# Altium PCB ECU_FEST23_Rev1.PcbDoc (part 2 of 2) (continued)
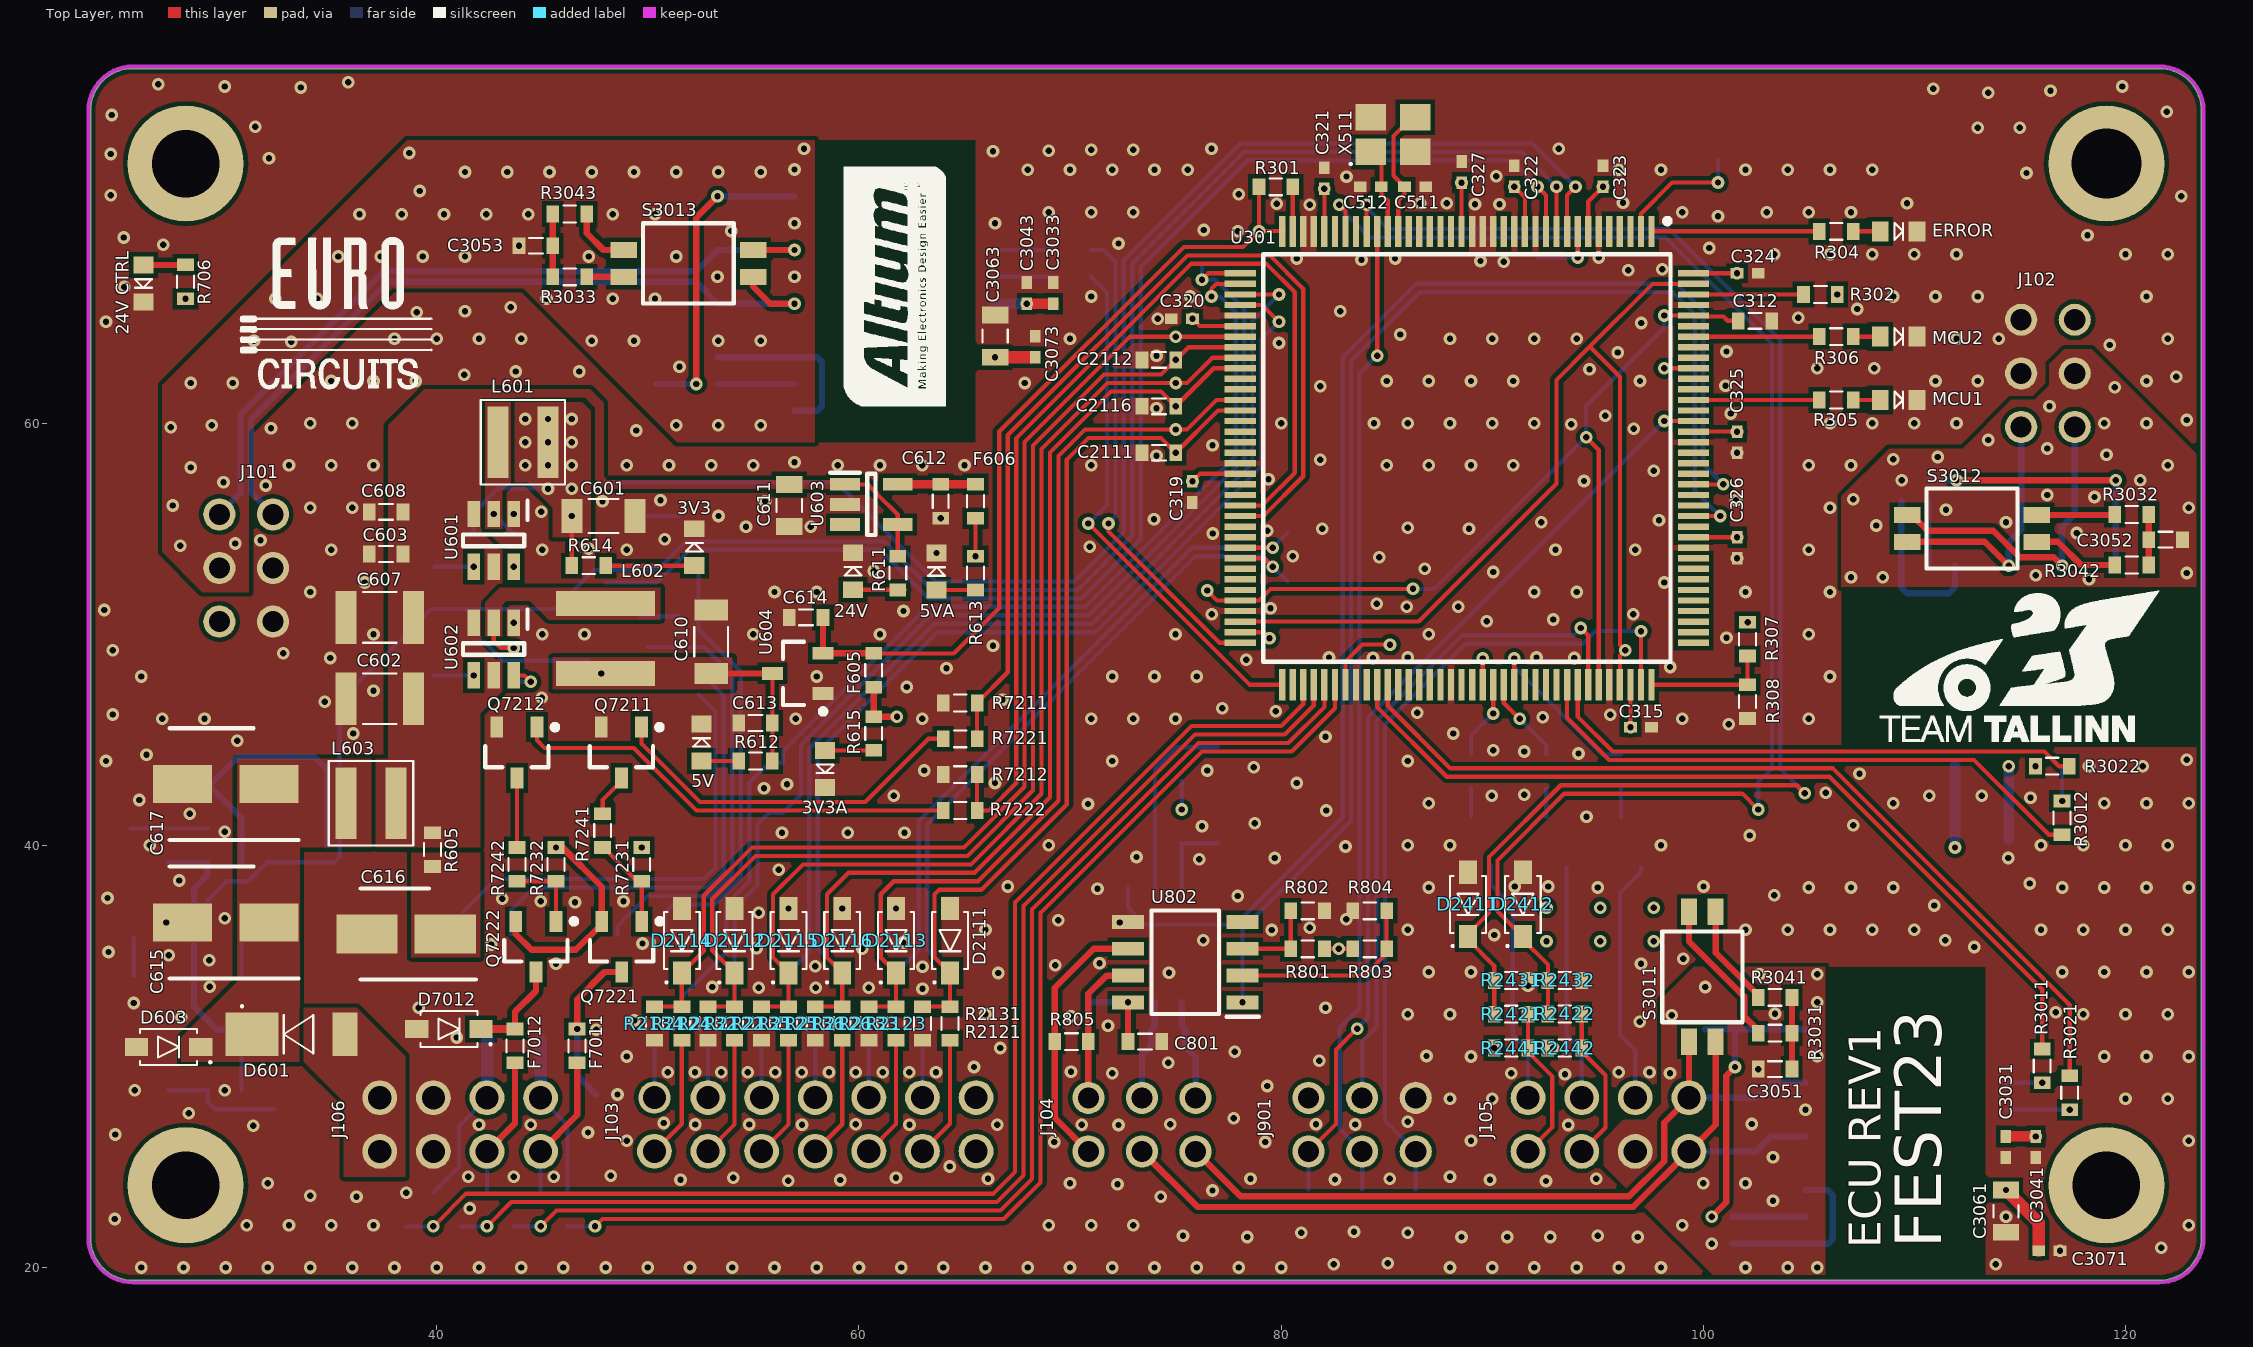
[diagram p0: Top Layer view]
## Nets (pads, with @x,y where several pads share a name; then routed paths per layer and width w, separated by ;. In a path a pad name is that pad's centre, name@x,y a point inside that pad or via, vN(x,y) a via of type N, cw(c..) or ccw(c..) an arc to the next point about the centre after c; other vN are vias at no path point) (continued)
MCU_SHDN_IN1: C231.1 D231.1 R231.2 R232.2 U301.63 | length 35.2
  Top Layer w0.2: U301.63@78.062,54.1 v1(79.6,54.1)
  Bottom Layer w0.2: R231.2@60.47,32.36 R232.2@61.76,32.36 D231.1@61.76,33.96 62.834,35.034 62.834,41.163 75.772,54.1 v1(79.6,54.1) C231.1@80.3,54.8
MCU_SHDN_IN2: C232.1 D232.1 R233.2 R234.2 U301.64 | length 34.9
  Top Layer w0.2: U301.64@78.062,53.6 79.2,53.6 v1(79.6,53.2)
  Bottom Layer w0.2: R233.2@63.01,32.36 R234.2@64.31,32.36 D232.1@64.31,33.96 63.234,35.036 63.234,40.997 75.937,53.7 79.1,53.7 v1(79.6,53.2) C232.1@80.3,52.5
MCU_Temp1: C2111.1 D2111.1 R2121.2 R2131.2 U301.50 | length 41
  Top Layer w0.2: R2131.2@63.01,32.36 R2121.2@64.31,32.36 D2111.1@64.31,33.96 63.585,34.685 63.585,37.684 63.795,37.894 65.797,37.894 69.85,41.947 69.85,58.275 70.875,59.3 74.31,59.3 v1(75.01,58.6) 77.01,60.6 U301.50@78.062,60.6
MCU_Temp2: C2112.1 D2112.1 R2122.2 R2132.2 U301.44 | length 52.2
  Top Layer w0.2: R2132.2@52.85,32.36 R2122.2@54.11,32.36 D2112.1@54.11,33.96 53.05,35.02 53.05,37.445 55.105,39.5 65.14,39.5 68.25,42.61 68.25,58.938 71.612,62.3 74.31,62.3 v1(75.01,63) 75.61,63.6 U301.44@78.062,63.6
MCU_Temp3: C2113.1 D2113.1 R2123.2 R2133.2 U301.49 | length 43.2
  Top Layer w0.2: R2133.2@60.47,32.36 R2123.2@61.76,32.36 D2113.1@61.76,33.96 61.035,34.685 61.035,37.684 61.651,38.3 65.637,38.3 69.45,42.113 69.45,58.441 70.709,59.7 v1(75.01,59.7) 75.544,59.7 76.944,61.1 U301.49@78.062,61.1
MCU_Temp4: C2114.1 D2114.1 R2124.2 R2134.2 U301.43 | length 52.9
  Top Layer w0.2: R2134.2@50.31,32.36 R2124.2@51.61,32.36 D2114.1@51.61,33.96 52.65,35 52.65,37.611 54.939,39.9 64.974,39.9 67.85,42.776 67.85,59.104 72.846,64.1 v1(75.01,64.1) U301.43@78.062,64.1
MCU_Temp5: C2115.1 D2115.1 R2125.2 R2135.2 U301.45 | length 49.1
  Top Layer w0.2: R2135.2@55.39,32.36 R2125.2@56.66,32.36 D2115.1@56.66,33.96 55.935,34.685 55.935,37.684 57.351,39.1 65.306,39.1 68.65,42.444 68.65,58.772 71.778,61.9 v1(75.01,61.9) 75.544,61.9 76.744,63.1 U301.45@78.062,63.1
MCU_Temp6: C2116.1 D2116.1 R2126.2 R2136.2 U301.46 | length 46.9
  Top Layer w0.2: R2136.2@57.93,32.36 R2126.2@59.21,32.36 D2116.1@59.21,33.96 58.485,34.685 58.485,37.684 59.501,38.7 65.471,38.7 69.05,42.279 69.05,58.607 71.943,61.5 74.31,61.5 v1(75.01,60.8) 76.81,62.6 U301.46@78.062,62.6
Net3V3_2: 3V3.2 R614.2 | length 4.2
  Top Layer w0.2: R614.2@48,53.249 3V3.2@52.2,53.249
Net3V3A_2: 3V3A.2 R615.2 | length 2.3
  Top Layer w0.2: 3V3A.2@58.4,44.5 R615.2@60.7,44.5
Net5V_2: 5V.2 R612.2 | length 1.8
  Top Layer w0.2: 5V.2@52.55,44 R612.2@54.3,44
Net5VA_2: 5VA.2 R613.2 | length 1.8
  Top Layer w0.2: 5VA.2@63.679,52.1 R613.2@65.525,52.1
"Net24V CTRL_2": "24V CTRL.2" R706.2 | length 2
  Top Layer w0.3: 26.1,67.492 28.092,67.492 R706.2@28.1,67.5
Net24V_2: 24V.2 R611.2 | length 2.1
  Top Layer w0.2: 24V.2@59.725,52.11 R611.2@61.831,52.11 ; R611.2@62.156,52.11 R611.2@62.166,52.1
NetC604_1: C604.1 U601.6
  other v1: 43.65,53.2
NetC604_2: C604.2 L601.1 U601.2 | length 1.3
  Bottom Layer w0.2: v1(42.7,55.7) 43.6,54.8 C604.2@43.65,54.8
NetC609_1: C609.1 U602.6 | length 1.7
  Top Layer w0.2: U602.6@43.65,48.05 44.15,48.05 v1(44.45,47.75)
  Bottom Layer w0.2: C609.1@43.65,47.75 v1(44.45,47.75)
NetC609_2: C609.2 L602.1 U602.2 | length 2
  Top Layer w0.2: U602.2@42.7,50.55 42.7,49.681 43.031,49.35 v1(43.65,49.35)
NetC615_1: C615.1 C617.1 D601.1 D603.1 L603.1
NetC616_1: C616.1 R605.1
NetC703_1: C703.1 R704.2 R705.1 | length 3.6
  Bottom Layer w0.2: C703.1@25.5,40.805 R704.2@27.25,40.805 R705.1@29.15,40.805
NetC3051_2: C3051.2 R3031.1 R3041.1 | length 3.4
  Top Layer w0.3: C3051.2@104.2,29.4 R3031.1@104.2,31.1 R3041.1@104.2,32.8
NetC3052_2: C3052.2 R3032.1 R3042.1 | length 2.4
  Top Layer w0.3: R3042.1@121.1,53.28 R3032.1@121.1,55.68
NetC3053_2: C3053.2 R3033.1 R3043.1 | length 3
  Top Layer w0.3: R3033.1@45.5,66.935 R3043.1@45.5,69.905
NetC3081_1: C3081.1 L3011.1 U3011.12 | length 3.4
  Bottom Layer w0.3: L3011.1@101.4,22.4 U3011.12@104.84,22.4
NetC3081_2: C3081.2 L3021.1 U3011.11 U3011.13 | length 8.3
  Bottom Layer w0.3: L3021.1@101.4,21.13 U3011.11@104.84,21.13 105.926,21.13 106.14,21.344 106.14,23.43 105.9,23.67 U3011.13@104.84,23.67
NetC3082_1: C3082.1 L3012.1 U3012.12 | length 3.1
  Bottom Layer w0.3: U3012.12@110.655,53.25 L3012.1@110.655,56.3
NetC3082_2: C3082.2 L3022.1 U3012.11 U3012.13 | length 7.9
  Bottom Layer w0.3: L3022.1@109.385,56.3 U3012.11@109.385,53.25 109.385,52.215 109.65,51.95 111.65,51.95 111.925,52.225 U3012.13@111.925,53.25
NetC3083_1: C3083.1 L3013.1 U3013.12 | length 3.7
  Bottom Layer w0.3: L3013.1@53.3,61.855 U3013.12@56.95,61.855
NetC3083_2: C3083.2 L3023.1 U3013.11 U3013.13 | length 8.5
  Bottom Layer w0.3: L3023.1@53.3,63.125 U3013.13@56.95,63.125 58.025,63.125 58.25,62.9 58.25,60.8 58.035,60.585 U3013.11@56.95,60.585
NetD703_1: D703.1 D704.2 Q701.2 R705.2 | length 15.8
  Bottom Layer w0.3: D703.1@27.7,42.823 29.227,42.823 ; D704.2@30.75,39.205 R705.2@30.75,40.805 30.75,41.3 29.227,42.823 ; Q701.2@34.82,40 34.82,43.58 34.2,44.2 30.603,44.2 29.227,42.823
NetD703_2: D703.2 F701.1 Q701.1 | length 2.5
  Bottom Layer w0.3: D703.2@30.75,42.823 32.977,42.823 F701.1@33.2,42.6
NetD704_1: D704.1 R704.1 U701.7 | length 11.7
  Bottom Layer w0.2: R704.1@27.25,39.205 D704.1@29.125,39.205
  Bottom Layer w0.3: D704.1@29.125,39.205 29.125,38.575 28.5,37.95 28.5,32.356 29.591,31.265 U701.7@30.75,31.265
NetD7011_1: D7011.1 F7011.1 Q7221.3 | length 7.5
  Top Layer w0.3: v1(46.65,31.3) 46.65,32.7 47.95,34 Q7221.3@48.76,34
  Bottom Layer w0.3: v1(46.65,31.3) 46.65,29.1 D7011.1@47.55,28.2
NetD7012_1: D7012.1 F7012.1 Q7222.3 | length 4.7
  Top Layer w0.3: F7012.1@43.704,31.3 43.704,32.104 44.7,33.1 Q7222.3@44.7,34
  Top Layer w0.4: D7012.1@42.1,31.3 F7012.1@43.704,31.3
NetD7111_1: D7111.1 F7111.1 U7111.1 U7111.5
NetD7112_1: D7112.1 F7112.1 U7112.1 U7112.5
NetERROR_2: ERROR.2 R304.2 | length 1.3
  Top Layer w0.2: R304.2@107.1,69.088 ERROR.2@108.384,69.088
NetMCU1_2: MCU1.2 R305.2 | length 1.3
  Top Layer w0.2: R305.2@107.1,61.1 MCU1.2@108.384,61.1
NetMCU2_2: MCU2.2 R306.2 | length 1.3
  Top Layer w0.2: R306.2@107.1,64.1 MCU2.2@108.384,64.1
NetQ4011_G: Q4011.1 R4011.1 | length 1.4
  Bottom Layer w0.2: Q4011.1@96.1,41.35 R4011.1@96.1,42.7
NetQ4012_G: Q4012.1 R4012.1 | length 1.3
  Bottom Layer w0.2: Q4012.1@92.565,41.35 R4012.1@92.565,42.7
NetQ4013_G: Q4013.1 R4013.1 | length 1.3
  Bottom Layer w0.2: Q4013.1@89,41.35 R4013.1@89,42.7
NetQ7111_D: Q7111.3 U7111.2 | length 20.8
  Bottom Layer w0.2: U7111.2@50.84,35.8 50.84,36.84 51.2,37.2 53.147,37.2 54.4,38.453 54.4,48.24 52.4,50.24 Q7111.3@52.4,53.2
NetQ7111_G: Q7111.1 R7121.1 | length 1.8
  Bottom Layer w0.2: R7121.1@49.65,55.6 Q7111.1@51.45,55.6
NetQ7112_D: Q7112.3 U7112.2 | length 22.1
  Bottom Layer w0.2: U7112.2@43.52,35.8 43.52,36.92 44.6,38 52.816,38 53.6,38.784 53.6,47.074 52.4,48.274 Q7112.3@52.4,48.45
NetQ7112_G: Q7112.1 R7122.1 | length 1.8
  Bottom Layer w0.2: R7122.1@49.65,50.85 Q7112.1@51.45,50.85
NetQ7211_D: Q7211.3 R7241.2 | length 2.1
  Top Layer w0.2: R7241.2@47.86,41.5 47.86,42.157 48.75,43.046 Q7211.3@48.75,43.2
NetQ7211_G: Q7211.1 R7221.1 | length 17.5
  Top Layer w0.2: Q7211.1@49.7,45.6 49.7,44.818 52.468,42.05 60.3,42.05 63.3,45.05 R7221.1@64,45.05
NetQ7212_D: Q7212.3 R7242.2 | length 3.3
  Top Layer w0.2: R7242.2@43.8,39.9 Q7212.3@43.8,43.2
NetQ7212_G: Q7212.1 R7222.1 | length 21.2
  Top Layer w0.2: Q7212.1@44.75,45.6 44.75,44.98 45.112,44.617 49.334,44.617 52.302,41.65 R7222.1@64,41.65
NetQ7221_G: Q7221.1 R7231.1 R7241.1 | length 4.4
  Top Layer w0.2: R7241.1@47.86,39.9 47.894,39.9 49.494,38.3 R7231.1@49.71,38.3 Q7221.1@49.71,36.4
NetQ7222_G: Q7222.1 R7232.1 R7242.1 | length 3.7
  Top Layer w0.2: R7242.1@43.8,38.3 R7232.1@45.65,38.3 Q7222.1@45.65,36.4
NetR301_2: R301.2 U301.35 | length 2.1
  Top Layer w0.2: U301.35@80.55,69.088 R301.2@80.55,71.2
NetR601_1: R601.1 R602.2 U601.4 | length 1.9
  Bottom Layer w0.2: R602.2@39.9,53.2 v1(41.75,53.2)
NetR603_1: R603.1 R604.2 U602.4 | length 1.9
  Bottom Layer w0.2: R604.2@39.85,48.05 v1(41.75,48.05)
NetR701_1: R701.1 U701.4 | length 1.8
  Bottom Layer w0.2: U701.4@25.65,33.805 R701.1@25.65,35.6
NetR703_1: R703.1 U701.8 | length 1.6
  Bottom Layer w0.2: R703.1@30.75,28.4 U701.8@30.75,29.995
NetR709_1: R709.1 U701.5 | length 1.8
  Bottom Layer w0.2: U701.5@30.75,33.805 R709.1@30.75,35.6
NetR3011_2: R3011.2 U3011.4 | length 1.7
  Bottom Layer w0.2: U3011.4@114.34,28.75 v1(116.057,28.75)
NetR3012_2: R3012.2 U3012.4 | length 1.7
  Bottom Layer w0.2: v1(117,42.1) 117,43.745 U3012.4@117.005,43.75
NetR3013_2: R3013.2 U3013.4 | length 2.9
  Bottom Layer w0.2: U3013.4@66.45,68.205 R3013.2@69.4,68.205
NetR3021_2: R3021.2 U3011.5 | length 3
  Bottom Layer w0.2: U3011.5@114.34,27.48 v1(117.36,27.48)
NetR3022_2: R3022.2 U3012.5
  other v1: 115.735,43.75
NetR3023_2: R3023.2 U3013.5 | length 2.9
  Bottom Layer w0.2: U3013.5@66.45,66.935 R3023.2@69.4,66.935
NetR3031_2: R3031.2 S3011.2 | length 7.1
  Top Layer w0.3: S3011.2@99.32,36.85 99.32,35.455 101.95,32.825 101.95,31.892 102.6,31.242 R3031.2@102.6,31.1
NetR3032_2: R3032.2 S3012.2 | length 3.7
  Top Layer w0.3: S3012.2@115.805,55.65 R3032.2@119.5,55.65
NetR3033_2: R3033.2 S3013.2 | length 1.7
  Top Layer w0.3: R3033.2@47.1,66.935 S3013.2@48.85,66.935
NetR3041_2: R3041.2 S3011.4 | length 4.9
  Top Layer w0.3: S3011.4@100.59,36.85 100.59,34.916 102.6,32.906 R3041.2@102.6,32.8
NetR3042_2: R3042.2 S3012.4 | length 4.2
  Top Layer w0.3: S3012.4@115.805,54.38 116.794,54.38 117.894,53.28 R3042.2@119.5,53.28
NetR3043_2: R3043.2 S3013.4 | length 3
  Top Layer w0.3: R3043.2@47.1,69.905 47.1,69.005 47.9,68.205 S3013.4@48.85,68.205
NetR7131_1: R7131.1 U7111.4 | length 20.8
  Bottom Layer w0.2: U7111.4@48.56,35.8 48.56,36.176 49.984,37.6 52.981,37.6 54,38.619 54,48.074 52.674,49.4 R7131.1@50,49.4
NetR7132_1: R7132.1 U7112.4 | length 22.4
  Bottom Layer w0.2: U7112.4@41.24,35.8 41.24,36.84 42.8,38.4 52.65,38.4 53.2,38.95 53.2,46.35 R7132.1@52.4,47.15
NRST: C901.1 D902.1 J901.5 U301.27 | length 46.6
  Top Layer w0.2: v1(84.55,63.2) U301.27@84.55,69.088
  Bottom Layer w0.2: D902.1@83.84,23.7 J901.5@83.84,25.5 82.778,26.562 82.778,31.344 83.717,32.283 83.717,62.367 v1(84.55,63.2)
OSC_IN: C511.1 U301.25 X511.3 | length 6.3
  Top Layer w0.2: U301.25@85.55,69.088 85.55,70.55 85.85,70.85 C511.1@85.85,71.2 85.325,71.725 85.325,73.599 86.226,74.5 X511.3@86.35,74.5
OSC_OUT: C512.2 U301.26 X511.1 | length 4.1
  Top Layer w0.2: X511.1@84.25,72.85 84.75,72.35 C512.2@84.75,71.2 84.75,70.85 85.05,70.55 U301.26@85.05,69.088
PDR: R302.2 U301.142 | length 5.2
  Top Layer w0.2: U301.142@99.538,66.1 R302.2@104.75,66.1
PWM_Sig1: D4011.1 J105.2 Q4011.3 R4021.2 R4031.2 | length 11.6
  Bottom Layer w0.2: J105.2@96.78,28.04 D4011.1@96.78,30.3 96.055,31.025 R4031.2@96.055,35.45 R4021.2@96.055,37.05 96.055,37.75 97.05,38.745 Q4011.3@97.05,38.95
PWM_Sig2: D4012.1 J105.3 Q4012.3 R4022.2 R4032.2 | length 11.2
  Bottom Layer w0.2: Q4012.3@93.515,38.95 R4022.2@93.515,37.05 R4032.2@93.515,35.45 93.515,31.025 D4012.1@94.24,30.3 J105.3@94.24,28.04
PWM_Sig3: D4013.1 J105.4 Q4013.3 R4023.2 R4033.2 | length 11.8
  Bottom Layer w0.2: Q4013.3@89.95,39.05 Q4013.3@89.95,38.95 89.95,38.125 91,37.075 R4023.2@90.975,37.05 R4033.2@90.975,35.45 90.975,31.025 D4013.1@91.7,30.3 J105.4@91.7,28.04
PWM_Sig_MCU1: R4011.2 U301.95 | length 8.4
  Top Layer w0.2: U301.95@91.05,47.612 v1(91.05,48.85)
  Bottom Layer w0.2: v1(91.05,48.85) 91.05,48.45 95.2,44.3 R4011.2@96.1,44.3
PWM_Sig_MCU2: R4012.2 U301.94 | length 4.1
  Top Layer w0.2: U301.94@90.55,47.612 90.55,46.75 v1(91.3,46)
  Bottom Layer w0.2: v1(91.3,46) 92.565,44.735 R4012.2@92.565,44.3
PWM_Sig_MCU3: R4013.2 U301.93 | length 3.7
  Top Layer w0.2: v1(90.05,46.25) U301.93@90.05,47.612
  Bottom Layer w0.2: R4013.2@89,44.3 89,45.2 v1(90.05,46.25)
RE_CLK: R808.1 R809.2 U801.2 | length 9
  Bottom Layer w0.2: U801.2@74.02,37.984 74.02,43.603 75.067,44.65 R808.1@75.29,44.65 R809.2@77.01,44.65
RE_DAT: R803.1 R804.2 U802.2 | length 9.3
  Top Layer w0.2: U802.2@78.174,33.83 83.953,33.83 85,34.877 R804.2@85,36.9
RS485A_CLK: J104.3 R810.2 U801.6 | length 4.8
  Bottom Layer w0.3: U801.6@75.29,32.56 75.29,31.45 75.465,31.275 75.465,30.615 R810.2@75.45,30.6 75.45,30.46 75.95,29.96 J104.3@75.95,28.04
RS485A_DAT: J104.6 R805.2 U802.6 | length 12.7
  Top Layer w0.3: J104.6@70.87,25.5 69.27,27.1 R805.2@69.27,30.7 69.27,33.25 71.12,35.1 U802.6@72.75,35.1
RS485B_CLK: J104.2 R810.1 U801.7 | length 4.8
  Bottom Layer w0.3: J104.2@73.41,28.04 73.41,30.06 73.85,30.5 R810.1@73.85,30.6 73.85,31.291 74.02,31.461 U801.7@74.02,32.56
RS485B_DAT: J104.1 R805.1 U802.7 | length 7.2
  Top Layer w0.3: J104.1@70.87,28.04 R805.1@70.87,30.7 70.87,32.97 71.73,33.83 U802.7@72.75,33.83
SHDN_IN1: J103.10 R231.1 | length 2.7
  Bottom Layer w0.2: J103.10@60.47,28.05 R231.1@60.47,30.76
SHDN_IN2: J103.9 R233.1 | length 2.7
  Bottom Layer w0.2: J103.9@63.01,28.05 R233.1@63.01,30.76
SPI_CLK: U301.124 U801.1 | length 64.4
  Top Layer w0.2: U301.124@99.538,57.1 v1(100.947,57.1)
  Bottom Layer w0.2: U801.1@72.75,37.984 72.75,37.05 73.55,36.25 77.833,36.25 82.917,41.335 82.917,63.107 86.42,66.61 98.706,66.61 100,65.316 100,58.047 v1(100.947,57.1)
SPI_DAT: U301.121 U802.1 | length 61.9
  Top Layer w0.2: U301.121@99.538,55.6 v1(100.8,55.6)
  Bottom Layer w0.2: v1(78.174,32.56) 78.174,36.026 83.317,41.169 83.317,62.942 86.586,66.21 98.54,66.21 99.6,65.15 99.6,56.8 v1(100.8,55.6)
SPI_NSS: R307.1 R308.2 U301.108 | length 5.9
  Top Layer w0.2: U301.108@97.55,47.612 R308.2@102.099,47.612 R307.1@102.099,48.967
SWCLK: D904.1 J901.4 U301.107 | length 39.1
  Top Layer w0.2: U301.107@97.05,47.612 v1(97.05,50.15)
  Bottom Layer w0.2: D904.1@86.38,23.7 J901.4@86.38,25.5 84.917,26.963 84.917,45.736 88.731,49.55 94.3,49.55 94.9,50.15 v1(97.05,50.15)
SWDIO: D903.1 J901.2 U301.102 | length 32.5
  Top Layer w0.2: v1(94.2,50.3) 94.55,49.95 U301.102@94.55,47.612
  Bottom Layer w0.2: J901.2@83.84,28.04 D903.1@83.84,30.02 83.84,30.709 84.517,31.386 84.517,45.902 88.566,49.95 93.85,49.95 v1(94.2,50.3)
SWO: D901.1 J901.6 U301.130 | length 44.8
  Top Layer w0.2: J901.6@81.3,25.5 82.6,26.8 82.6,30.317 v1(83.6,31.317) ; v1(98.15,60.1) U301.130@99.538,60.1
  Bottom Layer w0.2: D901.1@81.3,23.7 J901.6@81.3,25.5 ; v1(83.6,31.317) 84.117,31.835 84.117,46.067 v1(98.15,60.1)
Temp1: J103.6 R2121.1 | length 5.8
  Top Layer w0.2: J103.6@63.01,25.51 64.31,26.81 R2121.1@64.31,30.76
Temp2: J103.2 R2122.1 | length 5.8
  Top Layer w0.2: J103.2@52.85,25.51 54.11,26.77 R2122.1@54.11,30.76
Temp3: J103.5 R2123.1 | length 5.8
  Top Layer w0.2: J103.5@60.47,25.51 61.76,26.8 R2123.1@61.76,30.76
Temp4: J103.1 R2124.1 | length 5.8
  Top Layer w0.2: J103.1@50.31,25.51 51.61,26.81 R2124.1@51.61,30.76
Temp5: J103.3 R2125.1 | length 5.8
  Top Layer w0.2: J103.3@55.39,25.51 56.66,26.78 R2125.1@56.66,30.76
Temp6: J103.4 R2126.1 | length 5.8
  Top Layer w0.2: J103.4@57.93,25.51 59.21,26.79 R2126.1@59.21,30.76
VCAP: C311.2 C312.2 U301.68 U301.103 U301.140 | length 44.2
  Top Layer w0.2: v1(76.5,52.071) 76.971,51.6 U301.68@78.062,51.6 78.953,51.6 79.503,52.15 v1(86.25,52.15) ; v1(94.45,59.335) 95.05,58.735 U301.103@95.05,47.612 ; v1(98.15,65.1) U301.140@99.538,65.1 99.588,65.05 100.962,65.05 101.162,64.85 C312.2@101.649,64.85
  Bottom Layer w0.2: v1(86.25,52.15) 87.265,52.15 v1(94.45,59.335) 94.45,60.8 98.15,64.5 v1(98.15,65.1)
Viso_CAN1: C3011.1 C3021.1 C3091.1 L3011.2 U3011.19 | length 14.1
  Top Layer w0.3: v1(100.4,22.4) 101.09,23.09 101.09,29.09 v1(101.5,29.5)
  Bottom Layer w0.3: C3091.1@100.1,31.29 C3021.1@101.5,31.29 ; v1(101.5,29.5) C3021.1@101.5,31.29 ; U3011.19@104.84,31.29 C3011.1@102.7,31.29 C3021.1@101.5,31.29
Viso_CAN2: C3012.1 C3022.1 C3092.1 L3012.2 U3012.19 | length 12.9
  Top Layer w0.3: v1(112,57.3) v1(119.545,57.3)
  Bottom Layer w0.3: L3012.2@110.655,57.3 v1(112,57.3) ; U3012.19@119.545,53.25 C3022.1@119.545,55.1 C3012.1@119.545,56.2 v1(119.545,57.3)
Viso_CAN3: C3013.1 C3023.1 C3093.1 L3013.2 U3013.19 | length 14.9
  Top Layer w0.3: v1(52.3,61.855) 52.3,69.745 v1(53.3,70.745)
  Bottom Layer w0.3: C3093.1@50.4,61.855 v1(52.3,61.855) ; v1(53.3,70.745) C3013.1@54.7,70.745 U3013.19@56.95,70.745
pads on no net: U301.3 U301.4 U301.5 U301.15 U301.20 U301.21 U301.22 U301.23 U301.24 U301.29 U301.31 U301.47 U301.48 U301.51 U301.52 U301.53 U301.54 U301.57 U301.58 U301.61 U301.62 U301.65 U301.66 U301.67 U301.74 U301.81 U301.84 U301.85 U301.86 U301.87 U301.88 U301.90 U301.91 U301.96 U301.97 U301.98 U301.99 U301.109 U301.110 U301.111 U301.112 U301.113 U301.114 U301.115 U301.116 U301.117 U301.120 U301.122 U301.123 U301.125 U301.126 U301.127 U301.131 U301.133 U301.134 U301.136 U301.137 U301.139 U603.3 U701.1 U701.2 U801.4 U802.4 U3011.2 U3011.14 U3012.2 U3012.14 U3013.2 U3013.14

## Polygon pours and split planes (outlines as drawn)
GND on Top Layer "Top Layer-GND" (solid, remove dead copper, pour order 262): 23.55,75.75 24.65,76.85 122.45,76.85 123.7,75.6 123.7,20.6 122.45,19.35 24.8,19.35 23.55,20.6
GND_CAN1 on Top Layer "Top Layer-GND_CAN1" (solid, remove dead copper, pour order 246): 105.79,34.245 99.545,34.245 98,32.7 98,27.75 97.25,27 96.21,27 95.274,26.063 95.274,24.826 100.7,19.4 105.79,19.4
GND_CAN3 on Top Layer "Top Layer-GND_CAN3" (solid, remove dead copper, pour order 214): 57.9,59.1 51.4,59.1 44.1,66.4 37.9,66.4 31.104,59.604 31.104,52 28.9,52 27,53.9 27,61.8 38.6,73.4 57.9,73.4
NetC615_1 on Top Layer "Top Layer-NetC615_1" (solid, remove dead copper, pour order 76): 27.9,29.75 33.5,29.75 33.5,39.9 36.9,39.9 36.9,44.1 30.55,44.1 30.55,33.55 27.9,30.9
24Vin on Top Layer "Top Layer-24Vin" (solid, remove dead copper, pour order 228): 37.7,59.9 39.4,61.6 47.272,61.6 47.9,60.972 47.9,57.48 48.08,57.3 59.65,57.3 59.65,56.9 47.9,56.9 47.5,57.3 47.5,60.742 47.042,61.2 42.1,61.2 42.1,54.862 42.962,54 43.1,54 43.1,52.4 42.9,52.4 42.1,51.6 42.1,49.5 42.8,48.8 43.1,48.8 43.1,47.3 42.05,46.25 42.05,39.9 37.1,39.9 37.1,44.1 37.7,44.1
GND_CAN2 on Top Layer "Top Layer-GND_CAN2" (solid, remove dead copper, pour order 240): 106.546,52.25 106.546,56.546 108.8,58.8 112.3,58.8 114.6,61.1 115.7,61.1 116.4,61.8 116.4,62.8 117.1,63.5 118.4,63.5 123.605,58.295 123.605,52.25
3V3 on Top Layer "Top Layer-3V3" (solid, remove dead copper, pour order 114): 43.7,61 46.9,61 47.3,60.6 47.3,54.6 45.5,54.6 45.5,56 44.3,57.2 43.7,57.2
5V on Top Layer "Top Layer-5V" (solid, remove dead copper, pour order 132): 45.5,48.9 45.5,47.4 54,47.4 54,48.9
NetC609_2 on Top Layer "Top Layer-NetC609_2" (solid, remove dead copper, pour order 124): 42.3,49.9 42.3,51.506 42.994,52.2 50.6,52.2 50.6,50.7 45.3,50.7 44.4,51.6 43.3,51.6 43.1,51.4 43.1,49.9
NetC604_2 on Top Layer "Top Layer-NetC604_2" (solid, remove dead copper, pour order 106): 42.3,55 42.3,61 43.5,61 43.5,57.2 43.1,56.8 43.1,55
NetC616_1 on Top Layer "Top Layer-NetC616_1" (solid, remove dead copper, pour order 82): 38.8,34.7 38.8,39.65 42.05,39.65 42.05,34.7
24V on Top Layer "Top Layer-24V" (solid, remove dead copper, pour order 74): 38.5,24.3 38.5,30 36.2,32.3 33.7,32.3 33.7,29.756 35.6,27.856 35.6,24.3
GND on Bottom Layer "Bottom Layer-GND" (solid, remove dead copper, pour order 264): 23.55,75.75 24.65,76.85 122.45,76.85 123.7,75.6 123.7,20.6 122.45,19.35 24.8,19.35 23.55,20.6
NetD7112_1 on Bottom Layer "Bottom Layer-NetD7112_1" (solid, remove dead copper, pour order 260): 44.05,33.2 44.912,33.2 45.1,33.388 45.1,36.8 44.2,36.8 44.2,34.7 40.6,34.7 40.6,36.8 39.6,36.8 39.6,32.7 40.35,31.95 44.05,31.95
NetD7111_1 on Bottom Layer "Bottom Layer-NetD7111_1" (solid, remove dead copper, pour order 258): 49.75,32.9 51.25,32.9 53.4,35.05 53.4,36.85 51.5,36.85 51.5,34.75 47.9,34.75 47.9,36.8 46.9,36.8 46.9,34.9 45.002,33.002 44.25,33.004 44.25,31.95 48.8,31.95
GND_CAN1 on Bottom Layer "Top Layer-GND_CAN1" (solid, remove dead copper, pour order 256): 105.78,34.245 99.535,34.245 98,32.71 98,27.76 97.24,27 96.201,27 95.264,26.063 95.264,24.826 100.69,19.4 105.78,19.4
GND_CAN3 on Bottom Layer "Bottom Layer-GND_CAN3" (solid, remove dead copper, pour order 212): 57.9,59.1 51.4,59.1 44.1,66.4 37.9,66.4 31.104,59.604 31.104,51.989 28.911,51.989 27,53.9 27,61.8 38.6,73.4 57.9,73.4
GND_CAN2 on Bottom Layer "Bottom Layer-GND_CAN2" (solid, remove dead copper, pour order 238): 106.546,52.25 106.546,56.546 108.8,58.8 112.3,58.8 114.6,61.1 115.7,61.1 116.3,61.7 116.3,63 116.9,63.6 118.3,63.6 123.605,58.295 123.605,52.25
24V_CTRL on Bottom Layer "Bottom Layer-24V_CTRL" (solid, remove dead copper, pour order 136): 32,26.9 34.9,26.9 35.5,27.5 35.5,38.9 32,38.9 32,33.4 31.6,33 29.7,33 29.7,32.1 31.6,32.1 32,31.7
CTRL_PWR on Bottom Layer "Bottom Layer-CTRL_PWR" (solid, remove dead copper, pour order 234): 116.2,64.505 116.905,63.8 118.3,63.8 119,64.5 119,66.8 109,76.8 37.4,76.8 23.6,63 23.6,52.8 31.8,44.6 35.094,44.6 35.094,45.506 31.104,49.496 31.104,51.785 28.815,51.785 26.8,53.8 26.8,61.86 38.54,73.6 108,73.6 116.2,65.4
24V_switch on Bottom Layer "Bottom Layer-24V_switch" (solid, remove dead copper, pour order 168): 52.9,38.7 52.9,46.4 37.95,46.4 35.7,44.15 35.7,33 39.4,33 39.4,37.02 40.92,37.02 42.6,38.7
NetD703_2 on Bottom Layer "Bottom Layer-NetD703_2" (solid, remove dead copper, pour order 154): 32,39.5 34.4,39.5 34.4,43.9 32,43.9
24V on Bottom Layer "Bottom Layer-24V" (solid, remove dead copper, pour order 134): 38.6,32.8 35.7,32.8 35.7,27.4 35,26.7 32,26.7 32,25.3 33.1,24.2 38.6,24.2
3V3 on 3V3 "3V3-No Net" (solid, remove dead copper, pour order 274): 23.55,75.75 24.65,76.85 122.45,76.85 123.7,75.6 123.7,20.6 122.45,19.35 24.8,19.35 23.55,20.6
GND_CAN3 on 3V3 "3V3-GND_CAN3" (solid, remove dead copper, pour order 216): 57.9,59.1 51.4,59.1 44.1,66.4 37.9,66.4 31.1,59.6 31.1,52 28.9,52 27,53.9 27,61.8 38.6,73.4 57.9,73.4
GND_CAN1 on 3V3 "Top Layer-GND_CAN1" (solid, remove dead copper, pour order 254): 105.78,34.245 99.535,34.245 98,32.71 98,27.76 97.24,27 96.201,27 95.264,26.063 95.264,24.826 100.69,19.4 105.78,19.4
GND_CAN2 on 3V3 "3V3-GND_CAN2" (solid, remove dead copper, pour order 242): 106.546,52.25 106.546,56.546 108.8,58.8 112.3,58.8 114.6,61.1 115.7,61.1 116.3,61.7 116.3,63 116.9,63.6 118.3,63.6 123.605,58.295 123.605,52.25
GND on GND "GND-GND" (solid, remove dead copper, pour order 270): 23.55,75.75 24.65,76.85 122.45,76.85 123.7,75.6 123.7,20.6 122.45,19.35 24.8,19.35 23.55,20.6

## Keep-outs
Keep-Out Layer:
  lines w0.2: 23.5,21.4 ccw(c25.6,21.4) 25.599,19.3 ; 23.5,21.4 23.5,74.8 ; 23.5,21.4 23.5,21.4 ; 23.5,74.801 ccw(c25.6,74.8) 23.5,74.8 ; 23.5,74.801 cw(c25.6,74.8) 25.6,76.9 ; 23.5,74.801 ccw(c23.6,74.8) 23.5,74.8 ; 23.5,74.801 ccw(c23.6,74.8) 23.5,74.8 ; 25.599,19.3 ccw(c25.6,19.4) 25.6,19.3 ; 25.599,19.3 ccw(c25.6,19.4) 25.6,19.3 ; 25.599,19.3 ccw(c25.6,21.4) 25.6,19.3 ; 25.6,19.3 121.6,19.3 ccw(c121.6,21.4) 123.7,21.4 ; 25.6,76.9 cw(c25.6,76.8) 25.601,76.9 ; 25.6,76.9 cw(c25.6,76.8) 25.601,76.9 ; 25.6,76.9 25.601,76.9 ; 25.601,76.9 121.6,76.9 ; 121.6,76.9 cw(c121.6,74.8) 123.7,74.801 ; 121.6,76.9 121.6,76.9 ; 123.7,21.4 ccw(c123.6,21.4) 123.7,21.401 ; 123.7,21.4 ccw(c123.6,21.4) 123.7,21.401 ; 123.7,21.4 123.7,21.401 ; 123.7,21.401 123.7,74.8 ; 123.7,74.8 ccw(c123.6,74.8) 123.7,74.801 ; 123.7,74.8 ccw(c121.6,74.8) 123.7,74.801 ; 123.7,74.8 ccw(c123.6,74.8) 123.7,74.801

## Other copper
Top Layer:
  pour cut-out: 57.9,73.4 57.9,59.1 65.5,59.1 65.5,73.4
  pour cut-out: 105.79,19.4 105.79,34.245 113.39,34.245 113.39,19.4
  pour cut-out: 123.605,44.65 106.546,44.65 106.546,52.25 123.605,52.25
GND:
  pour cut-out: 57.9,73.4 57.9,59.1 65.5,59.1 65.5,73.4
  pour cut-out: 105.8,19.4 105.8,34.245 113.4,34.245 113.4,19.4
  pour cut-out: 123.605,44.65 106.546,44.65 106.546,52.35 123.605,52.35
3V3:
  pour cut-out: 57.9,73.4 57.9,59.1 65.5,59.1 65.5,73.4
  pour cut-out: 105.79,19.4 105.79,34.245 113.39,34.245 113.39,19.4
  pour cut-out: 123.605,44.65 106.546,44.65 106.546,52.25 123.605,52.25
Bottom Layer:
  pour cut-out: 105.79,19.4 105.79,34.245 113.39,34.245 113.39,19.4
  pour cut-out: 57.9,73.4 57.9,59.1 65.5,59.1 65.5,73.4
  pour cut-out: 123.605,44.65 106.546,44.65 106.546,52.25 123.605,52.25

## Silkscreen, mask and mechanical layers (free items; w line width, h text height)
Top Overlay:
  drawing of 4585 lines, arcs and shapes, not listed
  text "ECU REV1" at 108.9,20.91 h2.6 r90
  text "FEST23" at 112,20.91 h3.8 r90